# Altium PCB OpenCore_Carrier_Board.PcbDoc (part 1 of 5) (continued)
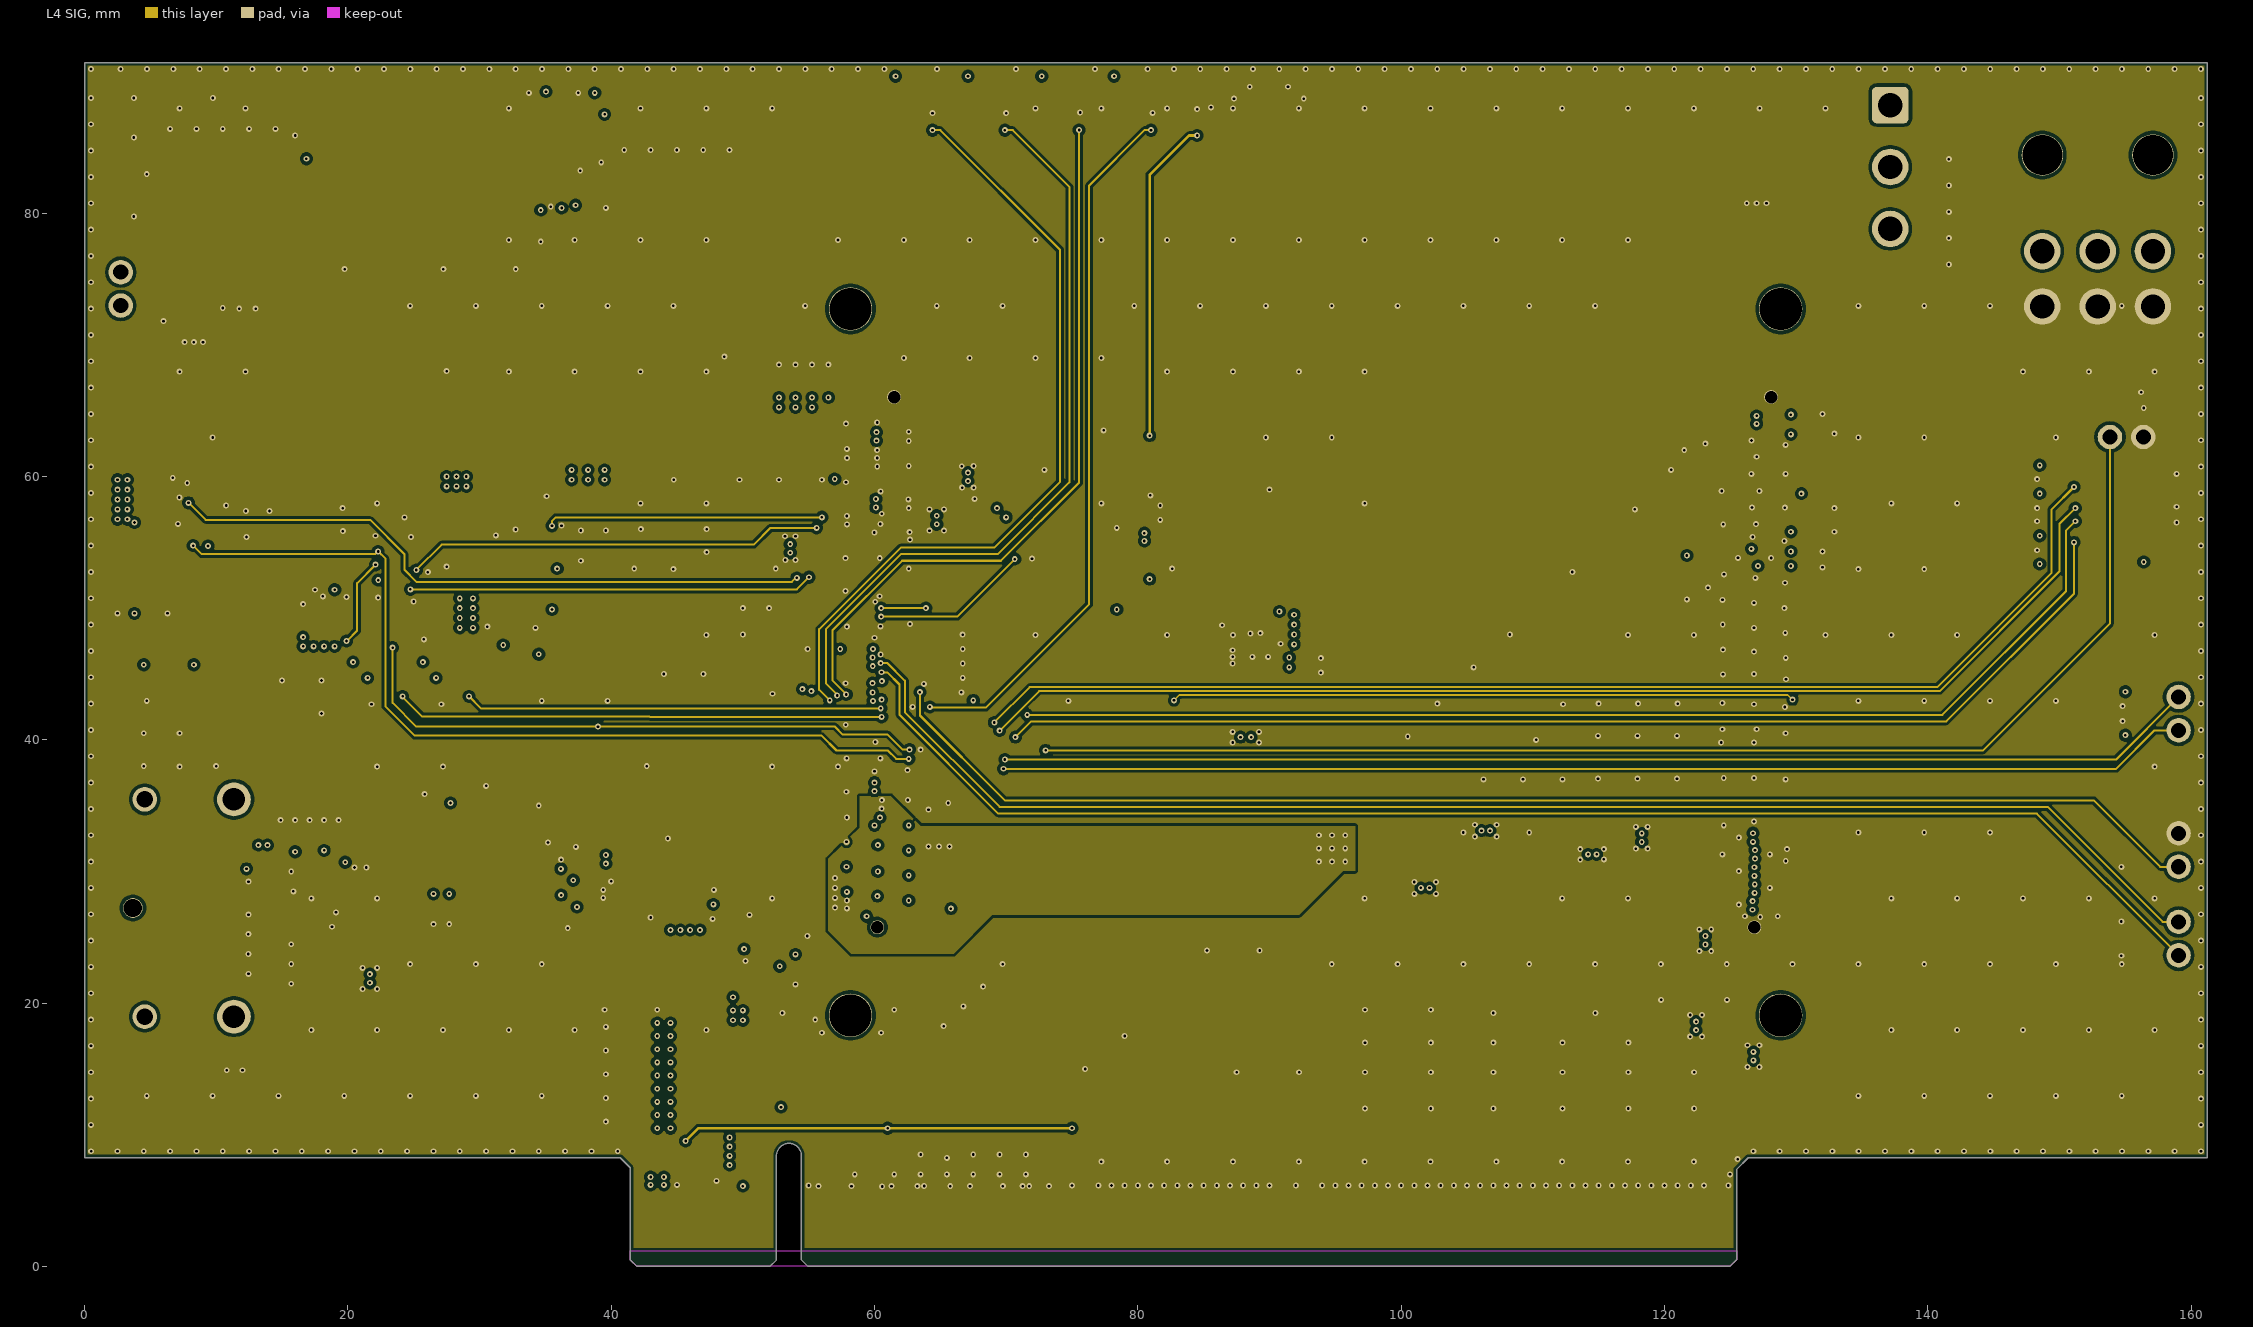
[diagram p4: L4 SIG]
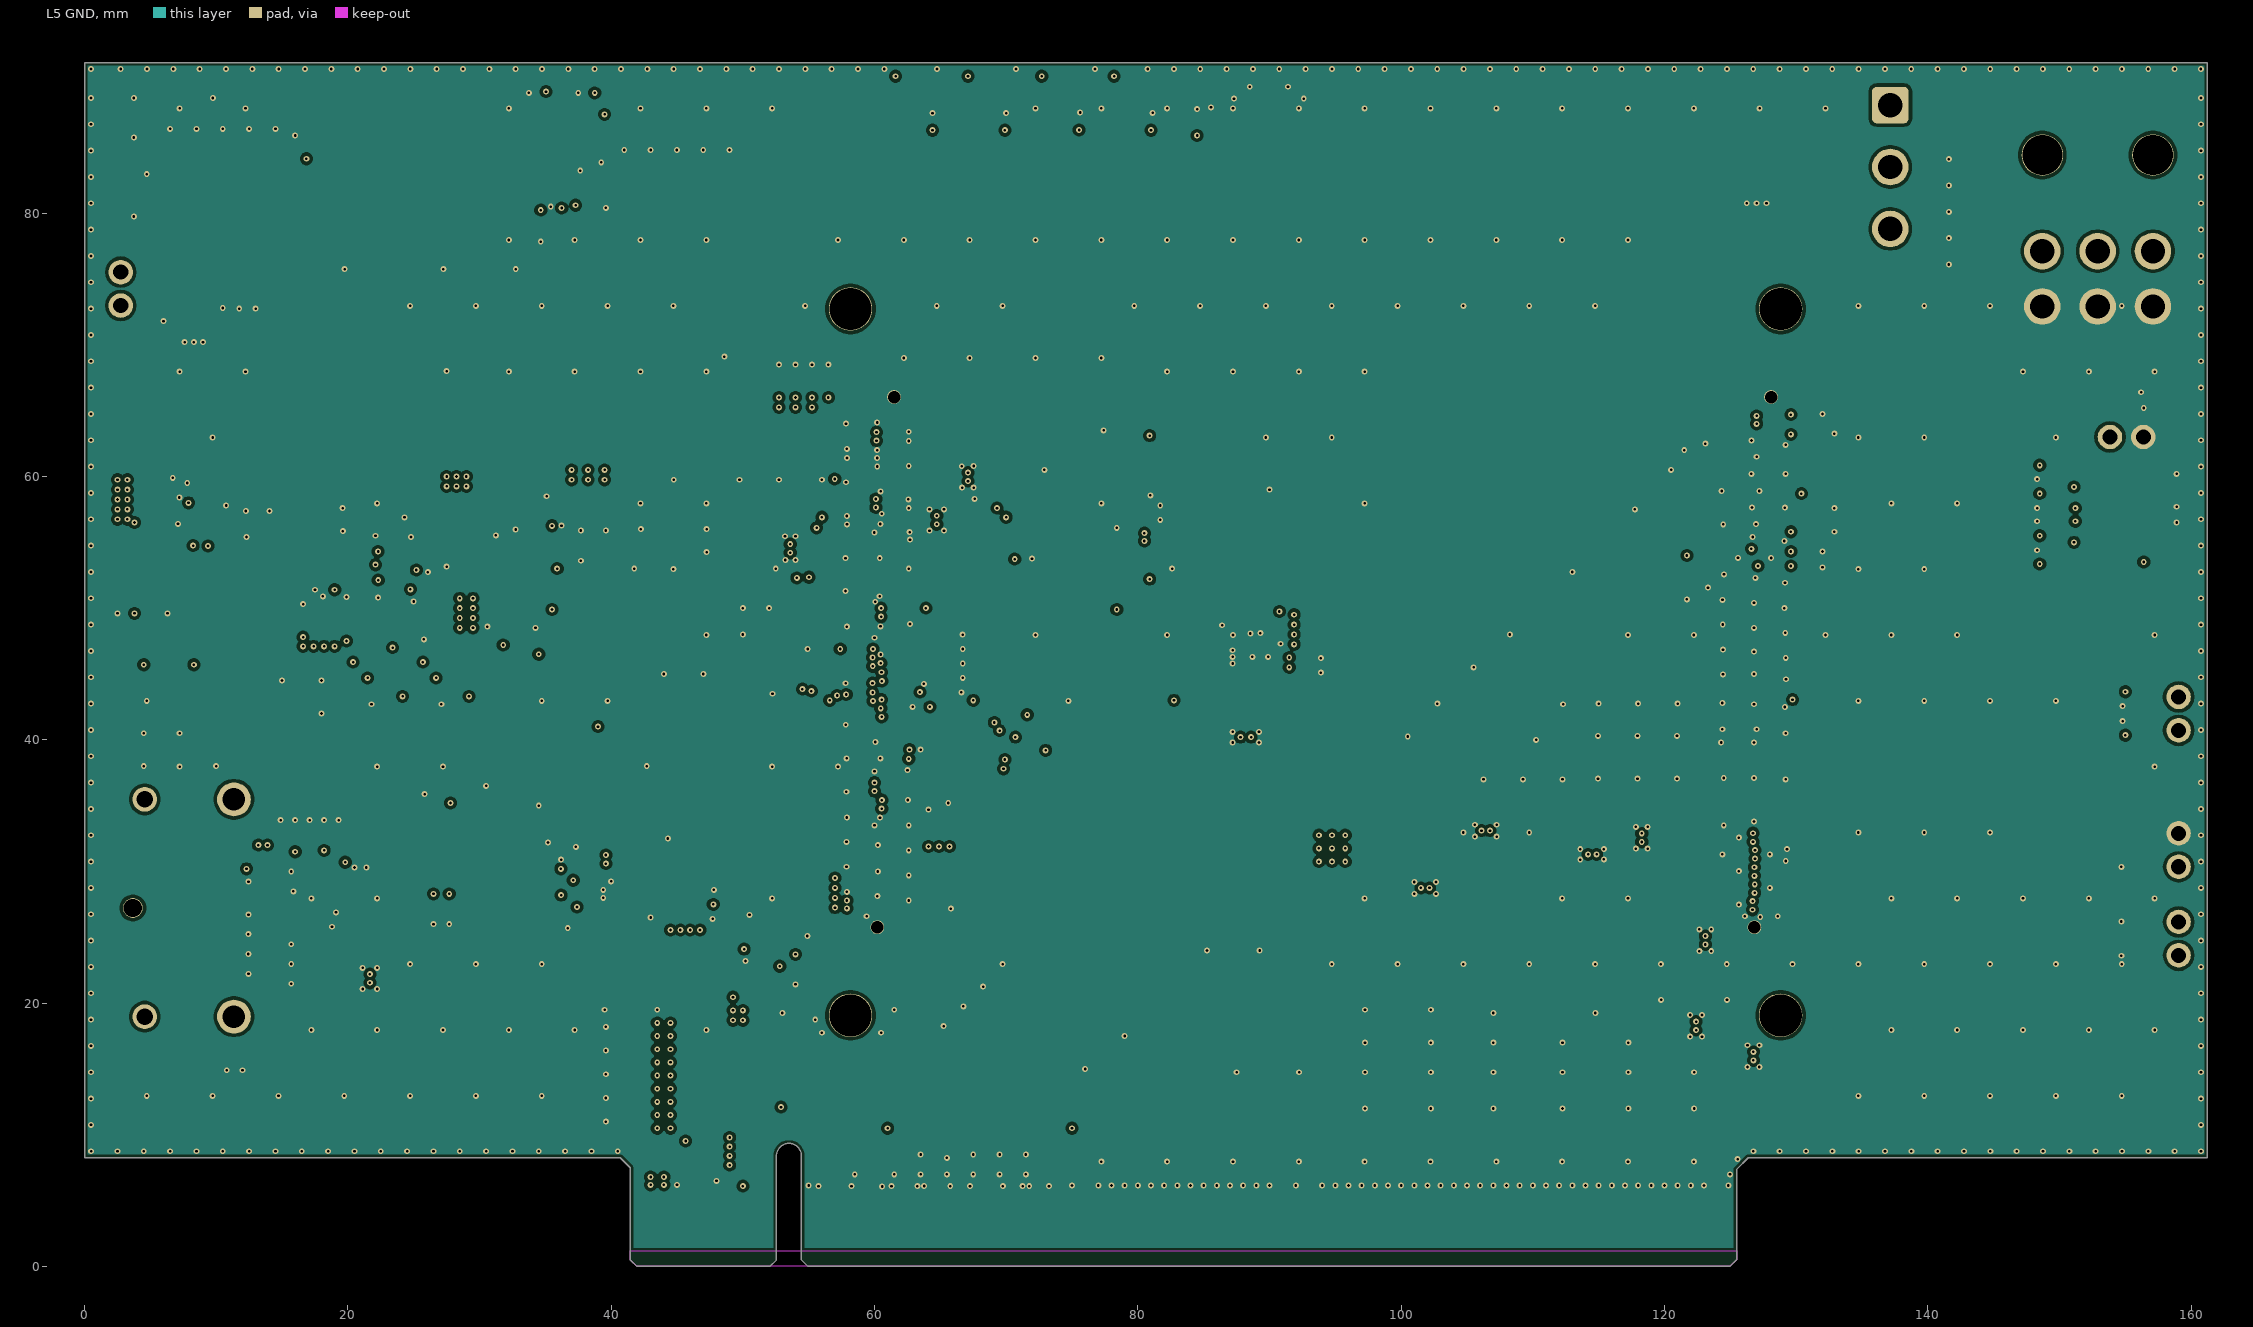
[diagram p5: L5 GND]

## Layer stack, top to bottom
Top Solder: solder mask 0.0102, Solder Resist, Dk 3.8
TOP: signal copper 0.035
Dielectric1: dielectric 0.0994, 3313, Dk 4.1
L2 GND: signal copper 0.0152
Dielectric2: dielectric 0.55, 3313, Dk 4.1
L3 PWR: signal copper 0.0152
Dielectric3: dielectric 0.1088, 2116, Dk 4.16
L4 SIG: signal copper 0.0152
Dielectric4: dielectric 0.55, 3313, Dk 4.1
L5 GND: signal copper 0.0152
Dielectric5: dielectric 0.0994, 3313, Dk 4.1
BOT: signal copper 0.035
Bottom Solder: solder mask 0.0102, Solder Resist, Dk 3.8

## Board outline
41.95,0 52.05,0 52.55,0.5 52.55,8.4 cw(c53.5,8.4) 54.45,8.4 54.45,0.5 54.95,0 124.968,0 125.476,0.508 125.476,7.366 126.365,8.255 161.239,8.255 161.239,91.415 161.239,91.44 0,91.44 0,8.255 40.691,8.255 41.45,7.496 41.45,0.5

## Design rules (kind name [scope] priority, off if disabled: settings)
BoardOutlineClearance "Edge Pullback" [All] p1: gap=0.254 ignorepadtopadclearanceinfootprint=FALSE except(0: Arc-SplitContinuation Track-SplitContinuation SMDPad-OutlineEdge SMDPad-CavityEdge SMDPad-CutoutEdge SMDPad-SplitBarrior SMDPad-SplitContinuation THPad-SplitContinuation Via-SplitContinuation Fill-SplitContinuation Poly-SplitContinuation Region-SplitContinuation Text-SplitContinuation)
Clearance Clearance_DIFFPAIR_1 [InNetClass('DIFFPAIR_GTH') or InNetClass('DIFFPAIR_DP') or InNetClass('DIFFPAIR_REFCLK') And ((ExistsOnLayer('L2 GND') Or ExistsOnLayer('L3 PWR') Or ExistsOnLayer('L4 SIG') Or ExistsOnLayer('L5 GND'))) vs (ExistsOnLayer('L2 GND') Or ExistsOnLayer('L3 PWR') Or ExistsOnLayer('L4 SIG') Or ExistsOnLayer('L5 GND'))] p1: gap=0.2 ignorepadtopadclearanceinfootprint=FALSE except(0: Arc-Hole Track-Hole SMDPad-Hole THPad-Hole Via-Hole Fill-Hole Poly-Hole Region-Hole Text-Hole; 0.127: Arc-Arc Arc-Track Arc-Text Track-Track Track-Text SMDPad-SMDPad SMDPad-Fill SMDPad-Poly SMDPad-Region Text-Text; 0.254: Arc-THPad Arc-Via Track-THPad Track-Via SMDPad-THPad SMDPad-Via THPad-THPad THPad-Via THPad-Fill THPad-Poly THPad-Region THPad-Text Via-Fill Via-Poly Via-Region Via-Text Hole-Hole)
Clearance Clearance_DIFFPAIR_2 [InNetClass('DIFFPAIR_GTH') or InNetClass('DIFFPAIR_DP') or InNetClass('DIFFPAIR_REFCLK') And ((ExistsOnLayer('TOP') Or ExistsOnLayer('BOT'))) vs (ExistsOnLayer('TOP') Or ExistsOnLayer('BOT'))] p2: gap=0.2 ignorepadtopadclearanceinfootprint=FALSE except(0: Arc-Hole Track-Hole SMDPad-Hole THPad-Hole Via-Hole Fill-Hole Poly-Hole Region-Hole Text-Hole; 0.127: Arc-Arc Arc-Track Arc-Text Track-Track Track-Text SMDPad-SMDPad SMDPad-Fill SMDPad-Poly SMDPad-Region Text-Text; 0.254: Arc-THPad Arc-Via Track-THPad Track-Via SMDPad-THPad SMDPad-Via THPad-THPad THPad-Via THPad-Fill THPad-Poly THPad-Region THPad-Text Via-Fill Via-Poly Via-Region Via-Text Hole-Hole)
Clearance Clearance_DIFFPAIR [InNetClass('DIFFPAIR_GTH') or InNetClass('DIFFPAIR_DP') or InNetClass('DIFFPAIR_REFCLK')] p3: gap=8 ignorepadtopadclearanceinfootprint=FALSE
Clearance Clearance_SE50_1 [InNetClass('SE50') And ((ExistsOnLayer('L2 GND') Or ExistsOnLayer('L3 PWR') Or ExistsOnLayer('L4 SIG') Or ExistsOnLayer('L5 GND'))) vs (ExistsOnLayer('L2 GND') Or ExistsOnLayer('L3 PWR') Or ExistsOnLayer('L4 SIG') Or ExistsOnLayer('L5 GND'))] p4: gap=0.2 ignorepadtopadclearanceinfootprint=FALSE except(0: Arc-Hole Track-Hole SMDPad-Hole THPad-Hole Via-Hole Fill-Hole Poly-Hole Region-Hole Text-Hole; 0.127: Arc-Arc Arc-Track Arc-Text Track-Track Track-Text SMDPad-SMDPad SMDPad-Fill SMDPad-Poly SMDPad-Region Text-Text; 0.254: Arc-THPad Arc-Via Track-THPad Track-Via SMDPad-THPad SMDPad-Via THPad-THPad THPad-Via THPad-Fill THPad-Poly THPad-Region THPad-Text Via-Fill Via-Poly Via-Region Via-Text Hole-Hole)
Clearance Clearance_SE50_2 [InNetClass('SE50') And ((ExistsOnLayer('TOP') Or ExistsOnLayer('BOT'))) vs (ExistsOnLayer('TOP') Or ExistsOnLayer('BOT'))] p5: gap=0.2 ignorepadtopadclearanceinfootprint=FALSE except(0: Arc-Hole Track-Hole SMDPad-Hole THPad-Hole Via-Hole Fill-Hole Poly-Hole Region-Hole Text-Hole; 0.127: Arc-Arc Arc-Track Arc-Text Track-Track Track-Text SMDPad-SMDPad SMDPad-Fill SMDPad-Poly SMDPad-Region Text-Text; 0.254: Arc-THPad Arc-Via Track-THPad Track-Via SMDPad-THPad SMDPad-Via THPad-THPad THPad-Via THPad-Fill THPad-Poly THPad-Region THPad-Text Via-Fill Via-Poly Via-Region Via-Text Hole-Hole)
Clearance Clearance_SE50 [InNetClass('SE50')] p6: gap=0.254 ignorepadtopadclearanceinfootprint=FALSE
Clearance Clearance_1 [(ExistsOnLayer('L2 GND') Or ExistsOnLayer('L3 PWR') Or ExistsOnLayer('L4 SIG') Or ExistsOnLayer('L5 GND')) vs (ExistsOnLayer('L2 GND') Or ExistsOnLayer('L3 PWR') Or ExistsOnLayer('L4 SIG') Or ExistsOnLayer('L5 GND'))] p7: gap=0.2 ignorepadtopadclearanceinfootprint=FALSE except(0: Arc-Hole Track-Hole SMDPad-Hole THPad-Hole Via-Hole Fill-Hole Poly-Hole Region-Hole Text-Hole; 0.127: Arc-Arc Arc-Track Arc-Text Track-Track Track-Text SMDPad-SMDPad SMDPad-Fill SMDPad-Poly SMDPad-Region Text-Text; 0.254: Arc-THPad Arc-Via Track-THPad Track-Via SMDPad-THPad SMDPad-Via THPad-THPad THPad-Via THPad-Fill THPad-Poly THPad-Region THPad-Text Via-Fill Via-Poly Via-Region Via-Text Hole-Hole) sourcerule=58 cellrowname=All cellrowtype=0 cellcolname=All cellcoltype=0 innerlayers=TRUE
Clearance Clearance_2 [(ExistsOnLayer('TOP') Or ExistsOnLayer('BOT')) vs (ExistsOnLayer('TOP') Or ExistsOnLayer('BOT'))] p8: gap=0.2 ignorepadtopadclearanceinfootprint=FALSE except(0: Arc-Hole Track-Hole SMDPad-Hole THPad-Hole Via-Hole Fill-Hole Poly-Hole Region-Hole Text-Hole; 0.127: Arc-Arc Arc-Track Arc-Text Track-Track Track-Text SMDPad-SMDPad SMDPad-Fill SMDPad-Poly SMDPad-Region Text-Text; 0.254: Arc-THPad Arc-Via Track-THPad Track-Via SMDPad-THPad SMDPad-Via THPad-THPad THPad-Via THPad-Fill THPad-Poly THPad-Region THPad-Text Via-Fill Via-Poly Via-Region Via-Text Hole-Hole) sourcerule=58 cellrowname=All cellrowtype=0 cellcolname=All cellcoltype=0 outerlayers=TRUE
Clearance [All] p9: gap=0.254 ignorepadtopadclearanceinfootprint=FALSE except(0: Arc-Hole Track-Hole SMDPad-Hole THPad-Hole Via-Hole Fill-Hole Poly-Hole Region-Hole Text-Hole) ismatrix=TRUE
DiffPairsRouting DiffPairsRouting_DP100 [InDifferentialPairClass('DIFFPAIR100')] p1: maxlimit=0.254 minlimit=0.254 mostfreqgap=0.254 toplayer_minwidth=0.127 toplayer_maxwidth=0.127 toplayer_prefwidth=0.127 midlayer3_minwidth=0.127 midlayer3_maxwidth=0.127 midlayer3_prefwidth=0.127 midlayer4_minwidth=0.127 midlayer4_maxwidth=0.127 midlayer4_prefwidth=0.127 midlayer5_minwidth=0.127 midlayer5_maxwidth=0.127 midlayer5_prefwidth=0.127 midlayer6_minwidth=0.127 midlayer6_maxwidth=0.127 midlayer6_prefwidth=0.127 bottomlayer_minwidth=0.127 bottomlayer_maxwidth=0.127 bottomlayer_prefwidth=0.127 maxuncoupledlength=12.7
DiffPairsRouting DiffPairsRouting_DP90 [InDifferentialPairClass('DIFFPAIR90')] p2: maxlimit=0.203 minlimit=0.203 mostfreqgap=0.203 toplayer_minwidth=0.152 toplayer_maxwidth=0.152 toplayer_prefwidth=0.152 midlayer3_minwidth=0.152 midlayer3_maxwidth=0.152 midlayer3_prefwidth=0.152 midlayer4_minwidth=0.152 midlayer4_maxwidth=0.152 midlayer4_prefwidth=0.152 midlayer5_minwidth=0.152 midlayer5_maxwidth=0.152 midlayer5_prefwidth=0.152 midlayer6_minwidth=0.152 midlayer6_maxwidth=0.152 midlayer6_prefwidth=0.152 bottomlayer_minwidth=0.152 bottomlayer_maxwidth=0.152 bottomlayer_prefwidth=0.152 maxuncoupledlength=0.508
DiffPairsRouting [All] p3: maxlimit=0.254 minlimit=0.127 mostfreqgap=0.203 toplayer_minwidth=0.127 toplayer_maxwidth=0.381 toplayer_prefwidth=0.203 midlayer3_minwidth=0.127 midlayer3_maxwidth=0.381 midlayer3_prefwidth=0.203 midlayer4_minwidth=0.127 midlayer4_maxwidth=0.381 midlayer4_prefwidth=0.203 midlayer5_minwidth=0.127 midlayer5_maxwidth=0.381 midlayer5_prefwidth=0.203 midlayer6_minwidth=0.127 midlayer6_maxwidth=0.381 midlayer6_prefwidth=0.203 bottomlayer_minwidth=0.127 bottomlayer_maxwidth=0.381 bottomlayer_prefwidth=0.203 maxuncoupledlength=12.7
HoleSize [All] p1: absolutevalues=TRUE maxlimit=3.81 minlimit=0.025 maxpercent=80.000 minpercent=20.000
HoleToHoleClearance [All] p1: gap=0.2 allowstackedmicrovias=TRUE
MinimumSolderMaskSliver [All] p1: minsoldermaskwidth=0.097
PlaneConnect [All] p1: planeconnectstyle=Direct reliefexpansion=0.508 reliefentries=4 reliefconductorwidth=0.254 reliefairgap=0.254
PolygonConnect [All] p1: connectstyle=Direct reliefconductorwidth=0.254 reliefentries=4 polygonreliefangle="90 Angle" airgapwidth=0.254
RoutingLayers [All] p1: top layer_v5=TRUE mid layer 3_v5=FALSE mid layer 4_v5=TRUE mid layer 5_v5=TRUE mid layer 6_v5=FALSE bottom layer_v5=TRUE
RoutingVias [All] p1: holewidth=0.2 width=0.45 viastyle="Through Hole" minholewidth=0.2 minwidth=0.45 maxholewidth=0.3 maxwidth=0.6
SilkToSilkClearance [All] p1: silktosilkclearance=0.14
SilkToSolderMaskClearance [IsPad] p1: minsilkscreentomaskgap=0.1 clearancetoexposedcopper=TRUE
SolderMaskExpansion SolderMaskExpansion_1 [IsVia] p1: expansion=0 istentingtop=FALSE
SolderMaskExpansion [All] p2: expansion=0.102 istentingtop=FALSE
SupplyNets "Schematic Supply Nets_9" [InNet('+3V3_PL')] p1: voltage=0.000
SupplyNets "Schematic Supply Nets_8" [InNet('+12V_PCIE')] p2: voltage=0.000
SupplyNets "Schematic Supply Nets_7" [InNet('+1V8_PL')] p3: voltage=0.000
SupplyNets "Schematic Supply Nets_6" [InNet('+3V3_PS')] p4: voltage=0.000
SupplyNets "Schematic Supply Nets_5" [InNet('+12V_EXT')] p5: voltage=0.000
SupplyNets "Schematic Supply Nets_4" [InNet('+12V')] p6: voltage=0.000
SupplyNets "Schematic Supply Nets_3" [InNet('+3V3_PCIE')] p7: voltage=0.000
SupplyNets "Schematic Supply Nets_2" [InNet('GND')] p8: voltage=0.000
SupplyNets "Schematic Supply Nets_1" [InNet('+5V')] p9: voltage=0.000
SupplyNets "Schematic Supply Nets" [InNet('+1V8_PS')] p10: voltage=0.000
Width SE50 [InNetClass('SE50')] p1: maxlimit=0.152 minlimit=0.152 preferedwidth=0.152
Width MaxMinWidth_1 [All] p2: maxlimit=1 minlimit=0.127 preferedwidth=0.203
Width [All] p3: maxlimit=0.254 minlimit=0.254 preferedwidth=0.254 minimp=50.000000 maximp=50.000000 favimp=50.000000
22 further rules are at their usual default settings.

## Classes and differential pairs
component class S06_SOM2_C_D: C600 C601 C602 C603 C604 C605
component class S05_SOM2_A_B: C500 C501 C502 C503
component class S12_Clocks: C1200 C1201 C1202 Q1200 Q1201 R1200 R1201 R1202 R1203 R1204 R1205 R1206 R1207 U1200 U1201
component class S10_Reset_Logic: C1000 C1001 C1002 C1003 C1004 D1000 SW1000 TP1000 U1000 U1001
net class DIFFPAIR_DP: DP_AUX_C_N DP_AUX_C_P DP_AUX_C_TVS_N DP_AUX_C_TVS_P DP_AUX_N DP_AUX_P GTR_DP0_M2C_C_N GTR_DP0_M2C_C_P GTR_DP0_M2C_N GTR_DP0_M2C_P GTR_DP1_M2C_C_N GTR_DP1_M2C_C_P GTR_DP1_M2C_N GTR_DP1_M2C_P
differential pair class DIFFPAIR100: GTH_REFCLK0 GTH_REFCLK0_C2M GTH_REFCLK0_C2M_R GTH_REFCLK0_R GTR_REFCLK0_C2M GTR_REFCLK0_C2M_R GTR_REFCLK1_C2M GTR_REFCLK1_C2M_R GTR_REFCLK3_C2M GTR_REFCLK3_C2M_R
differential pair class DIFFPAIR90: DP_AUX DP_AUX_C DP_AUX_C_TVS GTH_DP0_C2M GTH_DP0_M2C GTH_DP0_M2C_C GTH_DP1_C2M GTH_DP1_M2C GTH_DP1_M2C_C GTH_DP2_C2M GTH_DP2_M2C GTH_DP2_M2C_C GTH_DP3_C2M GTH_DP3_M2C GTH_DP3_M2C_C GTR_DP0_M2C GTR_DP0_M2C_C GTR_DP1_M2C GTR_DP1_M2C_C
net class SE50: DP_AUX_IN_1V8 DP_AUX_IN_3V3 DP_AUX_OUT_1V8 DP_AUX_OUT_3V3 DP_HPD_1V8 DP_HPD_3V3 DP_OE_3V3 DP_OE_N_1V8 FWUEN_C2M_L GTH_REFCLK0_EN GTR_REFCLK1_EN I2C_SCK I2C_SDA JTAG_TCK_C2M JTAG_TDI_C2M JTAG_TDO_M2C JTAG_TMS_C2M PMU_GPO PS_ERROR_OUT PS_ERROR_STATUS PWROFF_L UART1_RX UART1_TX
net class DIFFPAIR_REFCLK: GTH_REFCLK0_C2M_N GTH_REFCLK0_C2M_P GTH_REFCLK0_C2M_R_N GTH_REFCLK0_C2M_R_P GTH_REFCLK0_N GTH_REFCLK0_P GTH_REFCLK0_R_N GTH_REFCLK0_R_P GTR_REFCLK1_C2M_N GTR_REFCLK1_C2M_P GTR_REFCLK1_C2M_R_N GTR_REFCLK1_C2M_R_P
net class DIFFPAIR_GTH: GTH_DP0_C2M_N GTH_DP0_C2M_P GTH_DP0_M2C_C_N GTH_DP0_M2C_C_P GTH_DP0_M2C_N GTH_DP0_M2C_P GTH_DP1_C2M_N GTH_DP1_C2M_P GTH_DP1_M2C_C_N GTH_DP1_M2C_C_P GTH_DP1_M2C_N GTH_DP1_M2C_P GTH_DP2_C2M_N GTH_DP2_C2M_P GTH_DP2_M2C_C_N GTH_DP2_M2C_C_P GTH_DP2_M2C_N GTH_DP2_M2C_P GTH_DP3_C2M_N GTH_DP3_C2M_P GTH_DP3_M2C_C_N GTH_DP3_M2C_C_P GTH_DP3_M2C_N GTH_DP3_M2C_P
component class S11_LEDs: D1100 D1101 D1102 D1103 D1104 D1105 D1106 D1107 D1108 D1109 Q1100 Q1101 Q1102 Q1103 Q1104 Q1105 Q1106 Q1107 Q1108 Q1109 R1100 R1101 R1102 R1103 R1104 R1105 R1106 R1107 R1108 R1109 R1110 R1111
component class S08_DisplayPort: C800 C801 C802 C803 C804 C805 C806 C807 C808 C809 C810 C811 C812 C813 J800 R800 R801 R802 R803 R804 R805 R806 R807 R808 R809 R810 R811 R812 U800 U801 U802
component class S07_PCIe_Connector: C700 C701 C702 C703 C704 C705 C706 C707 C708 C709 C710 C711 C712 C713 C714 J700 R700 R701 R702 R703 R704 R705 R706 R707 R708 TP700 TP701 TP702 TP703 TP704 TP705 TP706 TP707 TP709 U700
component class S04_SOM1_C_D: C400 C401 C402 C403 D400 D401 D402 J401 J402 J403 R400 R401 R402 TP400
component class S03_SOM1_A_B: C300 C301 C302 C303 C304 D304 D305 J300 J301 R300 R301 R302 R303 R304 R305 TP300
component class S09_Connectors: C900 C901 C902 C903 C904 C905 C906 C907 C908 D900 D901 D902 D903 D904 D905 D906 F900 J900 J901 J902 R900 R901 R902 R903 R904 R905 S900
component class S02_Power_Converters: C17 C18 C200 C201 C202 C203 C204 C205 C206 C207 C208 C209 C210 C211 C212 C213 C214 C215 C216 C217 C218 C219 C220 C221 C222 C223 C224 C225 C226 C227 C228 C229 C230 C231 C232 C233 C234 C235 C236 C237 C238 C239 C240 C241 L1 L2 L3 L4 L5 L200 L201 L202 L203 L204 R200 R201 R202 R203 R204 R205 R206 R207 R208 R209 R210 R211 R212 R213 R214 R215 R216 R217 R218 R219 R220 TP200 TP201 TP202 TP203 TP204 U200 U201 U202 U203 U204
differential pair GTR_REFCLK1_C2M: +GTR_REFCLK1_C2M_P -GTR_REFCLK1_C2M_N
differential pair GTR_REFCLK1_C2M_R: +GTR_REFCLK1_C2M_R_P -GTR_REFCLK1_C2M_R_N
differential pair GTH_REFCLK0: +GTH_REFCLK0_P -GTH_REFCLK0_N
differential pair GTH_REFCLK0_R: +GTH_REFCLK0_R_P -GTH_REFCLK0_R_N
differential pair GTH_REFCLK0_C2M_R: +GTH_REFCLK0_C2M_R_P -GTH_REFCLK0_C2M_R_N
differential pair GTR_DP1_M2C: +GTR_DP1_M2C_P -GTR_DP1_M2C_N
differential pair GTR_DP1_M2C_C: +GTR_DP1_M2C_C_P -GTR_DP1_M2C_C_N
differential pair GTR_DP0_M2C: +GTR_DP0_M2C_P -GTR_DP0_M2C_N
differential pair GTR_DP0_M2C_C: +GTR_DP0_M2C_C_P -GTR_DP0_M2C_C_N
differential pair DP_AUX: +DP_AUX_P -DP_AUX_N
differential pair DP_AUX_C: +DP_AUX_C_P -DP_AUX_C_N
differential pair DP_AUX_C_TVS: +DP_AUX_C_TVS_P -DP_AUX_C_TVS_N
differential pair GTH_REFCLK0_C2M: +GTH_REFCLK0_C2M_P -GTH_REFCLK0_C2M_N
differential pair GTH_DP3_M2C: +GTH_DP3_M2C_P -GTH_DP3_M2C_N
differential pair GTH_DP3_M2C_C: +GTH_DP3_M2C_C_P -GTH_DP3_M2C_C_N
differential pair GTH_DP3_C2M: +GTH_DP3_C2M_P -GTH_DP3_C2M_N
differential pair GTH_DP2_M2C: +GTH_DP2_M2C_P -GTH_DP2_M2C_N
differential pair GTH_DP2_M2C_C: +GTH_DP2_M2C_C_P -GTH_DP2_M2C_C_N
differential pair GTH_DP2_C2M: +GTH_DP2_C2M_P -GTH_DP2_C2M_N
differential pair GTH_DP1_M2C: +GTH_DP1_M2C_P -GTH_DP1_M2C_N
differential pair GTH_DP1_M2C_C: +GTH_DP1_M2C_C_P -GTH_DP1_M2C_C_N
differential pair GTH_DP1_C2M: +GTH_DP1_C2M_P -GTH_DP1_C2M_N
differential pair GTH_DP0_M2C: +GTH_DP0_M2C_P -GTH_DP0_M2C_N
differential pair GTH_DP0_M2C_C: +GTH_DP0_M2C_C_P -GTH_DP0_M2C_C_N
differential pair GTH_DP0_C2M: +GTH_DP0_C2M_P -GTH_DP0_C2M_N

## Components (designator, comment, footprint, x,y, rotation, side; value= is the part's Value field where it differs from the comment)
C200 "CAP_0402" CAP0402 33.4,81.325 r180 top value=0.1uF
C201 "CAP_0402" CAP0402 35.001,87.983 r270 top value=22pF
C202 "CAP_0805" CAP0805 48.997,83.147 r90 top value=22uF
C203 "CAP_0805" CAP0805 46.997,83.147 r90 top value=10uF
C204 "CAP_0805" CAP0805 44.997,83.147 r90 top value=10uF
C205 "CAP_0805" CAP0805 42.997,83.147 r90 top value=10uF
C206 "CAP_0805" CAP0805 40.997,83.147 r90 top value=10uF
C207 "CAP_0402" CAP0402 39.251,82.733 r90 top value=0.1uF
C208 "CAP_0402" CAP0402 16.001,84.733 r90 top value=0.1uF
C209 "CAP_0805" CAP0805 14.501,84.733 r90 top value=22uF
C210 "CAP_0805" CAP0805 12.501,84.733 r90 top value=22uF
C211 "CAP_0805" CAP0805 10.501,84.733 r90 top value=22uF
C212 "CAP_0805" CAP0805 8.501,84.733 r90 top value=22uF
C213 "CAP_0805" CAP0805 6.501,84.733 r90 top value=22uF
C214 "CAP_0402" CAP0402 34.651,79.033 r270 top value=1uF
C215 "CAP_0402" CAP0402 33.751,87.983 r90 top value=0.1uF
C216 "CAP_0402" CAP0402 9.353,55.927 r90 top value=56pF
C217 "CAP_0402" CAP0402 20.932,53.311 r180 top value=56pF
C218 "CAP_0805" CAP0805 14.053,58.927 r270 top value=10uF
C219 "CAP_0805" CAP0805 12.253,58.927 r270 top value=10uF
C220 "CAP_0402" CAP0402 10.753,58.927 r270 top value=0.1uF
C221 "CAP_0805" CAP0805 18.032,57.611 r0 top value=10uF
C222 "CAP_0805" CAP0805 18.032,55.811 r0 top value=10uF
C223 "CAP_0402" CAP0402 18.032,54.361 r0 top value=0.1uF
C224 "CAP_0402" CAP0402 5.553,59.877 r0 top value=0.1uF
C225 "CAP_0805" CAP0805 5.553,58.377 r0 top value=22uF
C226 "CAP_0402" CAP0402 16.582,49.211 r90 top value=0.1uF
C227 "CAP_0805" CAP0805 18.082,49.211 r90 top value=22uF
C228 "CAP_0402" CAP0402 23.478,53.254 r0 top value=120pF
C229 "CAP_0402" CAP0402 34.75,54.175 r90 top value=120pF
C230 "CAP_0805" CAP0805 25.978,56.954 r180 top value=10uF
C231 "CAP_0402" CAP0402 25.978,55.454 r180 top value=0.1uF
C232 "CAP_0805" CAP0805 31.25,57.175 r270 top value=10uF
C233 "CAP_0402" CAP0402 32.75,57.175 r270 top value=0.1uF
C234 "CAP_0402" CAP0402 36.25,57.575 r270 top value=0.1uF
C235 "CAP_0805" CAP0805 37.75,57.575 r270 top value=22uF
C236 "CAP_0402" CAP0402 26.578,52.054 r180 top value=0.1uF
C237 "CAP_0805" CAP0805 26.578,50.554 r180 top value=22uF
C238 "CAP_0805" CAP0805 5.553,56.5 r0 top value=22uF
C239 "CAP_0805" CAP0805 19.9,49.211 r90 top value=22uF
C240 "CAP_0805" CAP0805 39.6,57.575 r270 top value=22uF
C241 "CAP_0805" CAP0805 26.578,48.7 r180 top value=22uF
C300 "CAP_0402" CAP0402 54,67.25 r90 top value=0.1uF
C301 "CAP_0402" CAP0402 52.75,67.25 r90 top value=0.1uF
C302 "CAP_0805" CAP0805 48.6,67.4 r90 top value=10uF
C303 "CAP_0402" CAP0402 64.1,33.6 r90 top value=0.1uF
C304 "CAP_0805" CAP0805 65.6,33.6 r90 top value=10uF
C400 "CAP_0402" CAP0402 55.25,67.25 r90 top value=0.1uF
C401 "CAP_0402" CAP0402 56.5,67.25 r90 top value=0.1uF
C402 "CAP_0402" CAP0402 155,66.4 r0 top value=0.1uF
C403 "CAP_0402" CAP0402 65.5,43.6 r0 top value=0.1uF
C500 "CAP_0402" CAP0402 130.75,54.3 r0 top value=0.1uF
C501 "CAP_0805" CAP0805 131.25,55.8 r0 top value=10uF
C502 "CAP_0402" CAP0402 130.75,64.75 r0 top value=0.1uF
C503 "CAP_0805" CAP0805 131.25,63.25 r0 top value=10uF
C600 "CAP_0402" CAP0402 130.75,53.15 r0 top value=0.1uF
C601 "CAP_0805" CAP0805 131.25,57.65 r0 top value=10uF
C602 "CAP_0402" CAP0402 123.3,52.7 r270 top value=0.1uF
C603 "CAP_0805" CAP0805 121.7,52.3 r270 top value=10uF
C604 "CAP_0402" CAP0402 123.1,63.6 r270 top value=0.1uF
C605 "CAP_0805" CAP0805 121.5,63.6 r270 top value=10uF
C700 "CAP_0402" CAP0402 54.025,22.5 r270 top value=0.1uF
C701 "CAP_0402" CAP0402 51.325,23.2 r180 top value=0.1uF